# Altium PCB LimeSDR-QPCIe_1v2.PcbDoc (part 21 of 21)
Units mm, origin at the board's own origin, x right, y up, seen from the top; angles counter-clockwise.
Board outline 190 x 111.15 mm, 14 copper layers (Top, L2, L3, L4, L5, L6, L7, L8, L9, L10, L11, L12, L13, Bottom), stack 1.907 mm thick; 2014 components, 1408 nets, 9111 pads, 4171 vias.
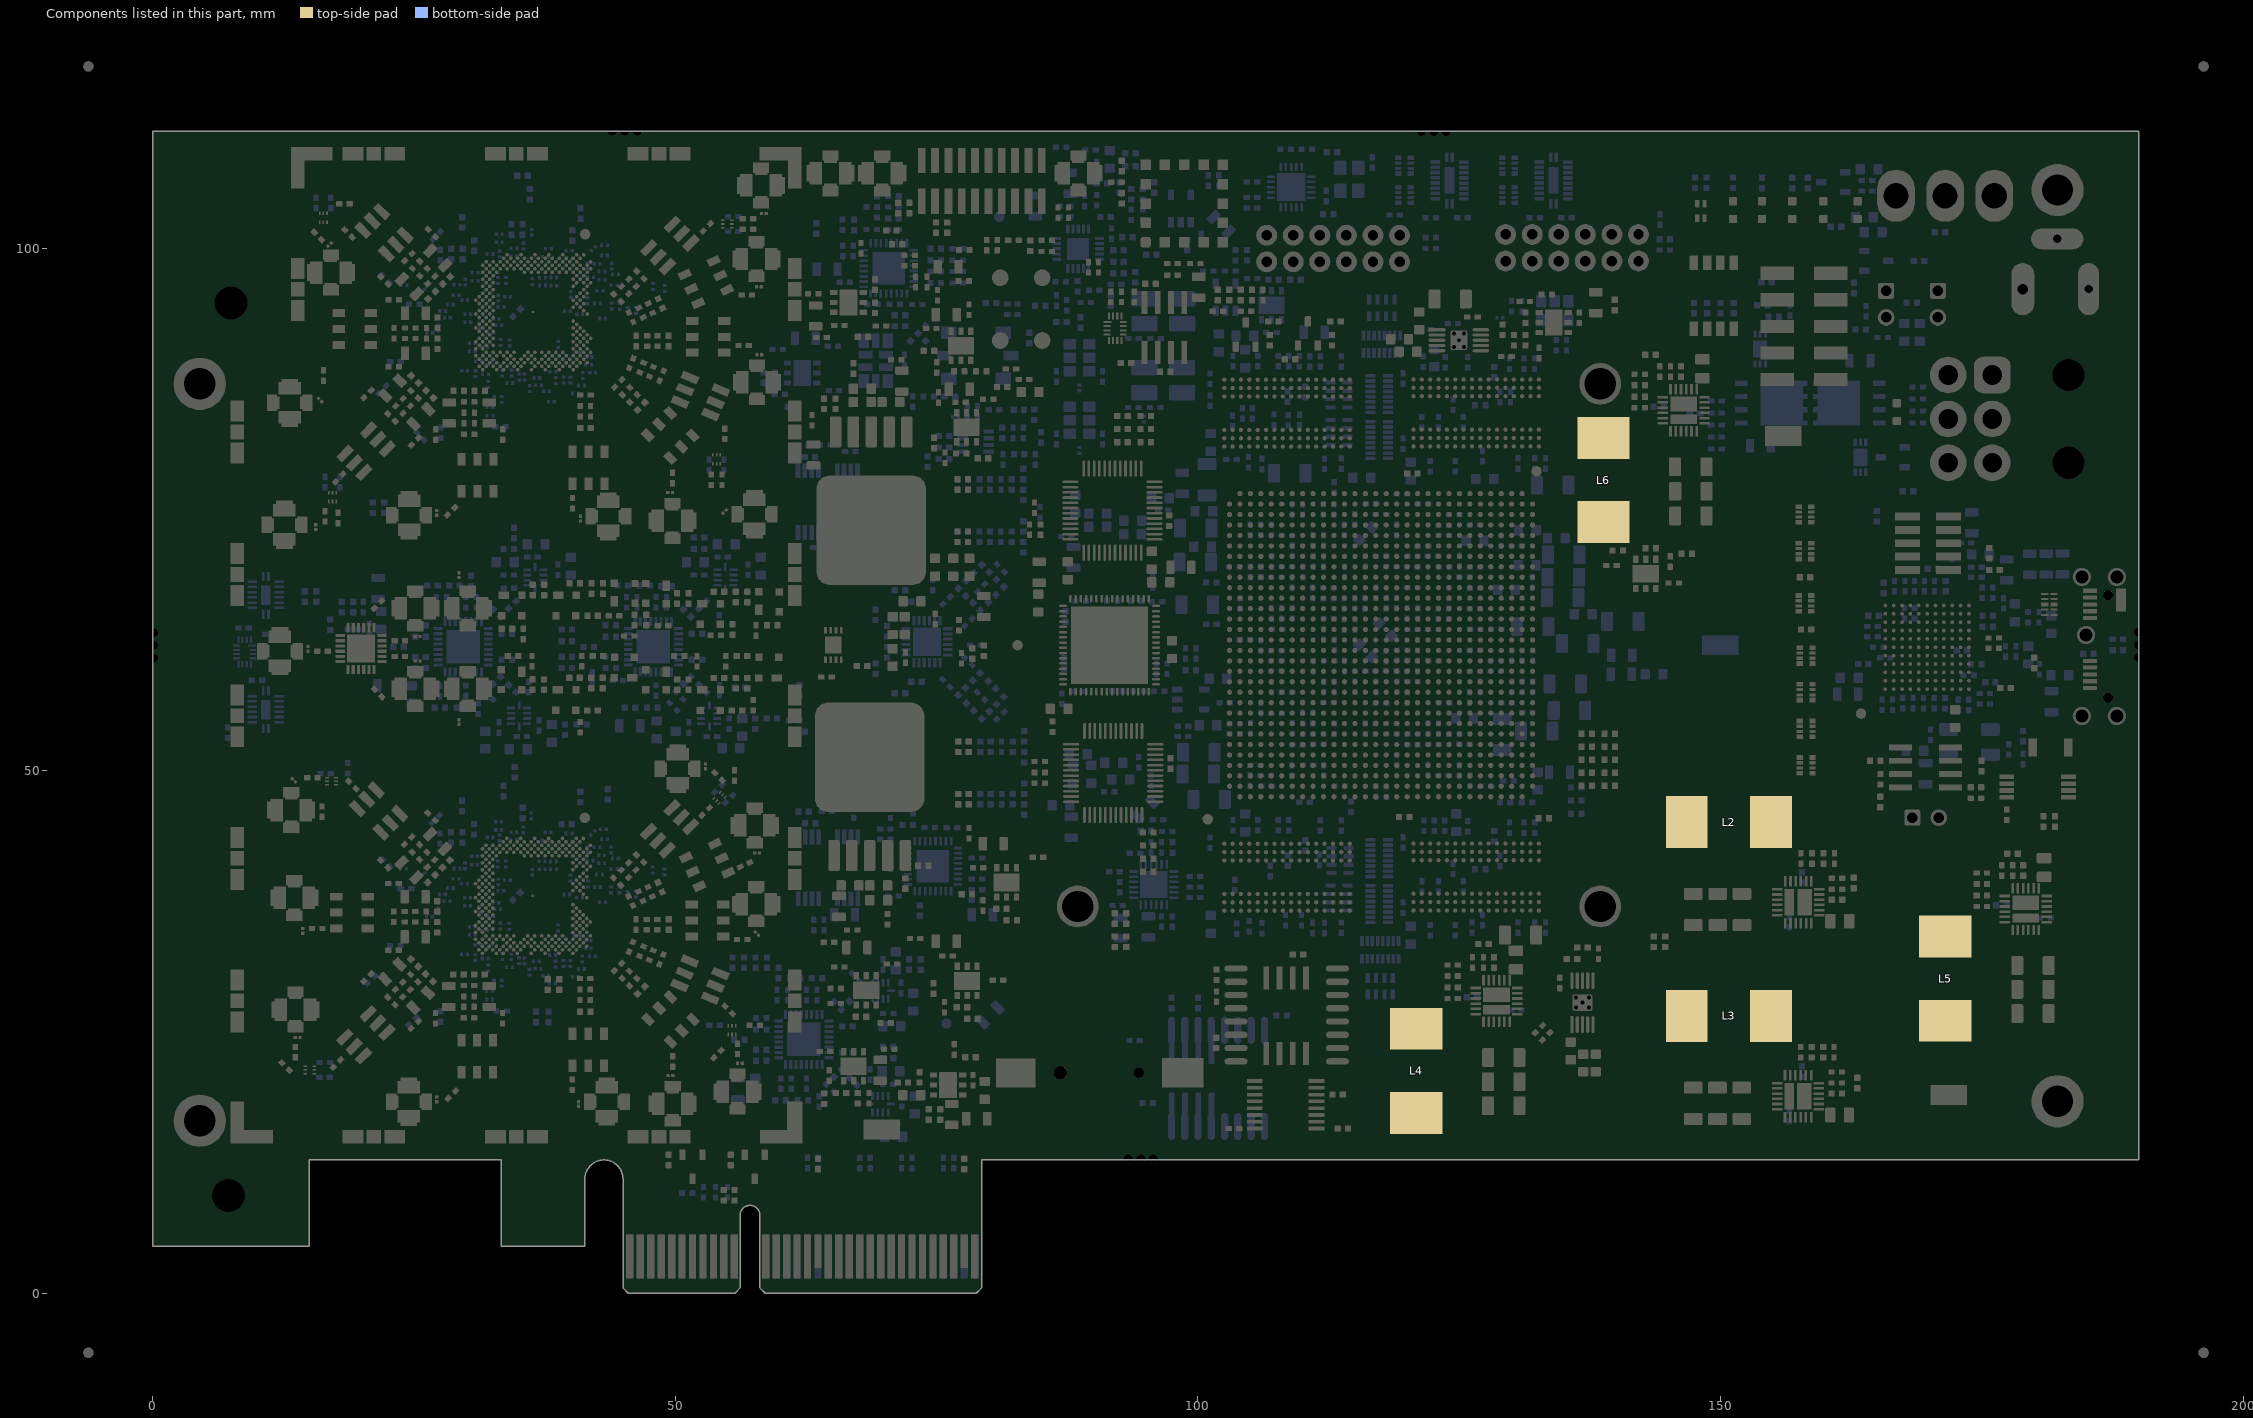
[diagram p33: the components of this part, seen from the top]

## Polygon pours and split planes (outlines as drawn)
VCC12P0_PCIE on L12 "VCC12P0_PCIE_L10_P000" (solid, remove dead copper, pour order 79): 45.625,8.175 46.3,7.5 50,7.5 55.075,7.5 56.5,8.925 74.175,8.925 79.6,14.35 152.65,14.35 165.5,27.2 165.5,84.75 161.75,88.5 151.825,88.5 148.975,85.65 148.975,37.375 139.525,27.925 134.275,27.925 132.7,29.5 68.875,29.5 67.468,28.093 62.843,28.093 45.625,10.875
VCC2P5 on L12 "VCC2P5_L12_P110" (solid, remove dead copper, pour order 110): 73.475,33.075 74.425,32.125 83.05,32.125 84.425,30.75 94.275,30.75 96.75,33.225 96.75,35.7 94.55,37.9 91.575,37.9 90.775,37.1 90.775,35.9 89.65,34.775 87.5,34.775 85.2,37.075 75.15,37.075 73.475,35.4
VCC1P2_FX3 on L12 "VCC1P2_FX3_L10_P012" (solid, remove dead copper, pour order 83): 166,58.875 166,66.9 169.375,70.275 174.65,70.275 175.6,69.325 175.6,57.55 174.75,56.7 168.175,56.7
GND on L12 "GND_L10_P073" (solid, remove dead copper, pour order 126): 15,4.5 15,12.75 33.35,12.75 33.35,4.5 41.35,4.5 41.35,10.925 cw(c43.175,10.925) 45,10.925 45,7 56.2,7 56.2,7.45 cw(c57.15,7.45) 58.1,7.45 58.1,7 79.3,7 79.3,12.75 190,12.75 190,111.15 0,111.15 0,4.5
VCC5P0 on L12 "VCC5P0_L12_P106" (solid, remove dead copper, pour order 106): 144.975,78.275 140.8,82.45 140.8,90.7 137.55,93.95 131.075,93.95 127.975,97.05 114.125,97.05 113.35,96.275 113.35,93.575 115.05,91.875 123.35,91.875 123.95,92.475 125.7,92.475 126.85,91.325 128.725,91.325 131.675,88.375 131.675,83.25 140.65,74.275 143.65,74.275 144.975,75.6
VCC3P3_XO on L12 "VCC3P3_XO_L12_P084" (solid, remove dead copper, pour order 84): 104.025,101.05 102.65,102.425 98.05,102.425 96.075,104.4 90.025,104.4 87.85,106.575 84.175,106.575 83.8,106.2 83.8,104.275 87,101.075 87,97.675 87.275,97.4 89,97.4 91.2,99.6 95.525,99.6 96.125,100.2 103.625,100.2 104.025,100.6
VCC5P0 on L6 "VCC5P0_L06_P109" (solid, remove dead copper, pour order 109): 113.675,97.375 105.975,97.375 103.225,100.125 103.225,103.7 103.225,104.9 99.25,108.875 98.65,109.475 93.85,109.475 93.275,108.9 93.275,107.85 93.725,107.4 96.425,107.4 96.925,106.9 98.525,105.3 98.525,103.975 98.525,100.65 104.275,94.9 109.875,94.9 114.5,94.9 114.875,95.275 114.875,96.175
PWR_IN on L6 "PWR_IN_L04_P022" (solid, remove dead copper, pour order 91): 163,97.25 165.25,99.5 180.75,99.5 182.8,97.45 182.8,85.025 182.8,75.95 181.55,74.7 165.25,74.7 163,76.95
VCC1P25_LMS1 on L6 "VCC1P25_LMS1_L04_P002" (solid, remove dead copper, pour order 80): 65.5,29.725 62.475,32.75 44.55,32.75 39.625,27.825 33.375,27.825 27.625,33.575 27.625,45.175 25.825,46.975 25.825,48.975 28.075,48.975 30.625,51.525 35.725,51.525 37.275,53.075 40.25,53.075 40.25,50.15 40.575,49.825 43.325,49.825 43.775,50.275 48.025,50.275 49.95,52.2 49.95,53.175 47.125,56 29.65,56 26.725,53.075 25.075,53.075 22.475,50.475 22.475,27.275 28.9,20.85 51.5,20.85 55.5,24.85 63.525,24.85 65.5,26.825
VCC12P0 on L6 "VCC12P0_L04_P044" (solid, remove dead copper, pour order 101): 169.475,104.95 169.475,101.625 168.075,100.225 164.75,100.225 161.35,96.825 161.35,91.8 161.35,78.425 158.625,75.7 158.625,49.65 163.95,44.325 178.45,44.325 183.475,39.3 183.475,24.075 173.725,14.325 147.5,14.325 144.075,17.75 144.075,63.175 138.75,68.5 138.75,84.075 143.725,89.05 143.725,104.475 148.8,109.55 167.3,109.55 168.525,109.55 169.475,108.6
GND on L6 "GND_L04_P067" (solid, remove dead copper, pour order 120): 15,4.5 15,12.75 33.35,12.75 33.35,4.5 41.35,4.5 41.35,10.925 cw(c43.175,10.925) 45,10.925 45,7 56.2,7 56.2,7.45 cw(c57.15,7.45) 58.1,7.45 58.1,7 79.3,7 79.3,12.75 190,12.75 190,111.15 0,111.15 0,4.5
VCC2P5 on L6 "VCC2P5_L03_P018" (solid, remove dead copper, pour order 88): 74.525,94.625 72.55,94.625 70.387,92.462 64.813,92.462 62.95,90.6 62.95,88.425 63.95,87.425 65.15,86.225 73.525,86.225 76.275,88.975 76.275,92.875
VDIO_LMS_FPGA on L6 "VDIO_LMS_FPGA_L06_P090" (solid, remove dead copper, pour order 90): 64.625,79.7 65.5,79.7 66.575,80.775 73.175,80.775 76.025,77.925 76.025,71.922 81.75,66.197 81.75,63.325 82.475,62.6 83.85,62.6 84.175,62.925 84.175,67.225 81.75,69.65 80.25,71.15 80.25,74.85 80.25,78.5 76.425,82.325 65.1,82.325 64.225,81.45 64.225,80.1
VCC1P25_LMS2 on L8 "VCC1P25_LMS2_L06_P020" (solid, remove dead copper, pour order 89): 73.9,82.45 71.825,84.525 66.837,84.525 65.169,86.194 65.169,91.906 61.4,95.675 44.05,95.675 40.25,99.475 31.375,99.475 29.125,97.225 29.125,88.85 38,79.975 38,77.715 35.735,75.45 27.625,75.45 18.7,84.375 18.7,103.875 23.775,108.95 60.625,108.95 78.55,91.025 78.55,83.65 77.35,82.45
VCC12P0 on L8 "VCC12P0_L03_P048" (solid, remove dead copper, pour order 103): 129.9,30.625 129.9,26.45 130.325,26.025 130.325,20.975 136.25,15.05 161,15.05 162.325,16.375 162.325,29.475 162.325,34.025 160,36.35 139.375,36.35 133.95,30.925 130.2,30.925
VCC3P3_FX3 on L8 "VCC3P3_FX3_L06_P014" (solid, remove dead copper, pour order 86): 169.5,50.875 169.5,57.83 172.3,60.63 172.3,64.075 170.975,65.4 170.45,65.4 169.85,66 169.85,66.95 170.125,67.225 174.8,67.225 175.425,66.6 175.425,59.275 173.15,57 173.15,50.925 172.7,50.475 169.9,50.475
GND on L8 "GND_L06_P069" (solid, remove dead copper, pour order 122): 15,4.5 15,12.75 33.35,12.75 33.35,4.5 41.35,4.5 41.35,10.925 cw(c43.175,10.925) 45,10.925 45,7 56.2,7 56.2,7.45 cw(c57.15,7.45) 58.1,7.45 58.1,7 79.3,7 79.3,12.75 190,12.75 190,111.15 0,111.15 0,4.5
VCC1P8_LMS1_B on L8 "VCC1P8_LMS1_L06_P004" (solid, remove dead copper, pour order 81): 75.375,29.875 71.475,25.975 64.875,25.975 60.775,21.875 57.625,21.875 53.85,18.1 28.975,18.1 16.65,30.425 16.65,46.275 20.025,49.65 24.325,49.65 28.175,45.8 28.175,32.65 34.3,26.525 34.3,25.6 36.125,23.775 48.75,23.775 53.45,28.475 57.325,28.475 61.05,32.2 74.3,32.2 75.375,31.125
GND on L10 "GND_L08_P071" (solid, remove dead copper, pour order 124): 15,4.5 15,12.75 33.35,12.75 33.35,4.5 41.35,4.5 41.35,10.925 cw(c43.175,10.925) 45,10.925 45,7 56.2,7 56.2,7.45 cw(c57.15,7.45) 58.1,7.45 58.1,7 79.3,7 79.3,12.75 190,12.75 190,111.15 0,111.15 0,4.5
PWR_IN on L3 "PWR_IN_L03_P024" (solid, remove dead copper, pour order 92): 163.375,98.525 164.35,99.5 179.275,99.5 181.325,99.5 182.8,98.025 182.8,85.025 182.8,75.95 180.225,73.375 170.725,73.375 163.375,80.725
GND on L3 "GND_L03_P066" (solid, remove dead copper, pour order 119): 15,4.5 15,12.75 33.35,12.75 33.35,4.5 41.35,4.5 41.35,10.925 cw(c43.175,10.925) 45,10.925 45,7 56.2,7 56.2,7.45 cw(c57.15,7.45) 58.1,7.45 58.1,7 79.3,7 79.3,12.75 190,12.75 190,111.15 0,111.15 0,4.5
VCC1P8_LMS1_A on L4 "VCC1P8_LMS1_A_L04_P107" (solid, remove dead copper, pour order 107): 56.825,18.4 54.925,20.3 54.925,21.525 51.225,25.225 36.35,25.225 30.5,31.075 21.3,31.075 21.025,30.8 21.025,26.95 25.65,22.325 35.8,22.325 36.925,21.2 50.325,21.2 51.075,20.45 51.075,17.15 52.875,15.35 65.325,15.35 65.725,15.75 65.725,17.75 65.075,18.4
VCC1P8 on L4 "VCC1P8_L04_P112" (solid, remove dead copper, pour order 112): 98.925,84.85 96.2,84.85 95.05,83.7 92.475,83.7 91.775,83 91.775,82.2 92.15,81.825 96.625,81.825 97.925,81.825 98.925,82.825
VCC1P4_LMS2 on L4 "VCC1P4_LMS2_L05_P026" (solid, remove dead copper, pour order 93): 67.175,93.6 64.625,96.15 56.85,96.15 54.15,98.571 54.15,102.7 49.7,107.15 44.925,107.15 42.375,104.6 32.6,104.6 29.622,107.578 26.303,107.578 25.825,107.1 25.825,104.05 29.95,99.925 35.225,99.925 35.8,100.5 36.225,100.5 36.8,99.925 44.5,99.925 53.825,90.6 66.8,90.6 67.175,90.975
VDIO_LMS1 on L4 "VDIO_LMS1_L05_P028" (solid, remove dead copper, pour order 94): 41.825,44.875 36.775,49.925 31,49.925 30.275,49.2 30.275,47.625 34.25,43.65 40.6,43.65
VCC12P0 on L4 "VCC12P0_L05_P046" (solid, remove dead copper, pour order 102): 157.5,107.475 158.25,108.225 168.7,108.225 169.475,107.45 169.475,100.55 171.925,98.1 172.75,97.275 172.75,92.3 172.75,92.15 170.875,90.275 169,88.4 169,85.85 169,82.875 167.675,81.55 159,81.55 157.5,83.05
VDIO_LMS_FPGA on L4 "VDIO_LMS_FPGA_L05_P060" (solid, remove dead copper, pour order 115): 84.475,41.65 80.875,45.25 80.875,48.6 80.875,63.6 81.725,64.45 83.525,64.45 83.881,64.094 83.881,54.894 84.55,54.225 84.975,53.8 84.975,51.425 84.975,42.925 84.475,42.425
VCC1P1 on L4 "VCC1P1_L05_P038" (solid, remove dead copper, pour order 97): 112.225,66.2 112.225,59.825 113.25,58.8 142.875,58.8 154.15,47.525 154.15,36.725 151.125,33.7 146.3,28.875 146.3,21.4 147.45,20.25 155.35,20.25 164.9,29.8 164.9,50.9 149.425,66.375 112.4,66.375
GND on L4 "GND_L05_P068" (solid, remove dead copper, pour order 121): 15,4.5 15,12.75 33.35,12.75 33.35,4.5 41.35,4.5 41.35,10.925 cw(c43.175,10.925) 45,10.925 45,7 56.2,7 56.2,7.45 cw(c57.15,7.45) 58.1,7.45 58.1,7 79.3,7 79.3,12.75 190,12.75 190,111.15 0,111.15 0,4.5
VCC1P8_FX3 on L4 "VCC1P8_FX3_L08_P016" (solid, remove dead copper, pour order 87): 165.65,61.4 169.05,64.8 170.475,64.8 170.75,65.075 173.475,65.075 173.9,64.65 173.9,60.275 171,57.375 168.425,57.375 167.275,57.375 165.65,59
VCC1P5 on L4 "VCC1P5_L05_P036" (solid, remove dead copper, pour order 96): 100.25,36.325 100.25,86.125 107.925,93.8 128.95,93.8 134.45,88.3 134.45,79.95 121.275,66.775 112.025,66.775 111.75,66.5 111.75,58.275 140.25,58.275 153.2,45.325 153.2,37.575 150.65,35.025 101.55,35.025
VCC3P3 on L4 "VCC3P3_L05_P062" (solid, remove dead copper, pour order 116): 87.925,70.15 87.925,55.5 95.8,47.625 95.8,33.775 94.275,32.25 92.15,32.25 90.875,33.525 90.875,36.625 90.875,37.05 89.625,38.3 89.625,42.4 87.55,44.475 85.25,46.775 85.25,53.825 84.025,55.05 84.025,63.9 83.25,64.675 81.7,64.675 80.375,63.35 80.075,63.35 79.875,63.55 79.875,65.175 83.275,68.575 84.85,70.15
FX3_GND on L2 "FX3_GND_L02_P030" (solid, remove dead copper, pour order 95): 187.25,56 175.025,56 173.625,57.4 173.625,66.875 174.75,68 187.25,68
GND on L2 "GND_L02_P065" (solid, remove dead copper, pour order 118): 15,4.5 15,12.75 33.35,12.75 33.35,4.5 41.35,4.5 41.35,10.925 cw(c43.175,10.925) 45,10.925 45,7 56.2,7 56.2,7.45 cw(c57.15,7.45) 58.1,7.45 58.1,7 79.3,7 79.3,12.75 190,12.75 190,111.15 0,111.15 0,4.5
VCC1P8_LMS2_A on L9 "VCC1P8_LMS2_A_L09_P085" (solid, remove dead copper, pour order 85): 62.75,85.475 62.75,83.225 60.925,81.4 35.375,81.4 34.125,82.65 33.35,82.65 32.1,81.4 25.4,81.4 21.225,85.575 21.225,86.65 22.5,87.925 32.45,87.925 36.1,84.275 58.075,84.275 59.675,85.875 62.35,85.875
VCC3P3 on L9 "VCC3P3_L07_P058" (solid, remove dead copper, pour order 114): 179.65,27.125 184.175,31.65 184.175,84.425 159.188,109.413 95.025,109.413 94.456,109.981 93.625,109.981 92.3,108.656 92.3,97.275 88.231,93.206 88.231,85.544 89.244,85.544 97.45,93.75 97.45,99.825 100.925,103.3 142.728,103.3 143.453,102.575 143.453,97.324 141.827,95.85 137.45,95.85 137.125,95.525 137.125,90.25 147.075,80.3 147.075,72.3 145.15,70.375 145.15,66.375 146.75,64.775 148.5,64.775 151.975,61.3 151.975,40.425 155.125,37.275 159.475,37.275 162.55,34.2 162.55,30.425 165.85,27.125
VCC2P5 on L9 "VCC2P5_L07_P056" (solid, remove dead copper, pour order 111): 122.975,27.45 122.975,46.925 124.325,48.275 134.963,48.275 135.525,48.837 135.525,53.625 134.725,54.425 123.325,54.425 122.975,54.775 122.975,68.1 124.025,69.15 124.025,76.075 114.45,85.65 76.575,85.65 74.55,87.675 72.725,87.675 72.475,87.425 72.475,81.612 74.837,79.25 78.931,79.25 82.356,75.825 108.95,75.825 111.45,73.325 111.525,73.25 111.525,71.825 112.025,71.325 112.025,61.8 112.725,61.1 112.725,56.05 108.525,51.85 108.525,32.475 106.325,30.275 90.025,30.275 85.775,34.525 85.775,40 81.947,43.828 76.778,43.828 76.4,43.45 76.4,40.375 77.925,38.85 77.925,37.55 77.525,37.15 72.85,37.15 71.075,38.925 65.7,38.925 64.725,37.95 64.725,34.188 66.638,32.275 75.2,32.275 76.75,30.725 76.75,26.475 84.858,18.367 126.617,18.367 127.075,18.825 127.075,23.35
VDIO_DAC_FPGA on L9 "VDIO_DAC_FPGA_L07_P050" (solid, remove dead copper, pour order 104): 87.8,49.65 100.35,62.2 110.675,62.2 111.8,61.075 111.8,57.8 107.8,53.8 107.8,52.1 101,45.3 101,35.35 99.125,33.475 91.9,33.475 87.8,37.575
VCC5P0 on L9 "VCC5P0_L09_P113" (solid, remove dead copper, pour order 113): 124.5,31.4 124.5,26.55 127.45,23.6 127.45,18.45 126.3,17.3 126.3,14.375 130.135,14.375 132.413,16.635 132.413,18.887 131.975,19.325 131.975,26.475 129.9,28.55 129.9,30.75 130.425,31.275 134.001,31.275 136.385,33.66 136.385,38.148 148.338,50.1 148.338,62.537 144.463,66.412 144.463,71.5 146.044,73.081 146.044,78.775 144.769,80.05 142.525,80.05 141.525,79.05 141.525,76.4 139.325,74.2 139.325,67 143.2,63.125 143.2,52.2 134.001,43.001 134.001,40.901
GND on L9 "GND_L07_P070" (solid, remove dead copper, pour order 123): 15,4.5 15,12.75 33.35,12.75 33.35,4.5 41.35,4.5 41.35,10.925 cw(c43.175,10.925) 45,10.925 45,7 56.2,7 56.2,7.45 cw(c57.15,7.45) 58.1,7.45 58.1,7 79.3,7 79.3,12.75 190,12.75 190,111.15 0,111.15 0,4.5
VDIO_LMS_FPGA on L9 "VDIO_LMS_FPGA_L07_P052" (solid, remove dead copper, pour order 105): 84.4,60.1 97.325,60.1 99.9,62.675 108.175,62.675 111.15,65.65 111.15,70.075 106.475,74.75 93.175,74.75 86.625,68.2 84.8,68.2 83,66.4 83,61.5
VCC1P1E_FPGA on L9 "VCC1P1E_FPGA_L07_P054" (solid, remove dead copper, pour order 108): 126.725,70.875 126.725,64.825 126.35,64.425 126.35,57.025 128.175,55.2 131.8,55.2 135.75,59.15 140.025,59.15 142.025,61.15 142.025,63.725 140.2,65.55 132.225,65.55 128.325,69.45 128.325,70.943 127.918,71.35 127.2,71.35
VCC1P8_LMS2_B on L9 "VCC1P8_LMS2_L07_P040" (solid, remove dead copper, pour order 99): 68.875,96.8 65.45,93.375 65.45,80.3 64.85,79.7 25.95,79.7 20.75,84.9 20.75,88.5 21.975,89.55 22.85,89.55 23.8,88.6 25.15,88.6 29.725,93.875 29.725,102.575 25.525,106.775 22.325,106.775 15.35,99.8 15.35,80.475 22.925,72.9 37.525,72.9 38.375,72.05 67.55,72.05 72.075,76.575 72.075,88 72.5,88.425 77.05,88.425 79.3,90.675 79.3,97.375 78.975,97.7 73.075,97.7 72.175,96.8
VCC2P5 on Top "VCC2P5_L01_P098" (solid, remove dead copper, pour order 98): 69.625,21.925 68.975,21.925 68.975,22.95 68.1,23.825 67.7,23.825 67.2,24.325 64.975,24.325 62.3,27 62.3,31.725 63.65,33.075 65.325,33.075 66,32.4 65.525,31.925 64.7,31.925 63.6,30.825 63.6,27.8 65.75,25.65 68.375,25.65 70.375,23.65 70.375,21.925
VCC_ADCDRV on Top "VCC_ADCDRV_L01_P042" (solid, remove dead copper, pour order 100): 73.05,66.8 74.25,68 74.25,69.15 79.725,69.15 80.625,68.25 80.625,66.65 80.275,66.3 79.7,65.725 78.6,65.725 77.5,64.625 77.5,64.1 76.8,64.1 75.825,64.1 75.225,64.7 72.925,64.7 72.925,66.675
GND on Top "GND_L01_P064" (solid, remove dead copper, pour order 117): 15,4.5 15,12.75 33.35,12.75 33.35,4.5 41.35,4.5 41.35,10.925 cw(c43.175,10.925) 45,10.925 45,7 56.2,7 56.2,7.45 cw(c57.15,7.45) 58.1,7.45 58.1,7 79.3,7 79.3,12.75 190,12.75 190,111.15 0,111.15 0,4.5
GND on L11 "GND_L09_P072" (solid, remove dead copper, pour order 125): 15,4.5 15,12.75 33.35,12.75 33.35,4.5 41.35,4.5 41.35,10.925 cw(c43.175,10.925) 45,10.925 45,7 56.2,7 56.2,7.45 cw(c57.15,7.45) 58.1,7.45 58.1,7 79.3,7 79.3,12.75 190,12.75 190,111.15 0,111.15 0,4.5
GND on L13 "GND_L11_P074" (solid, remove dead copper, pour order 127): 15,4.5 15,12.75 33.35,12.75 33.35,4.5 41.35,4.5 41.35,10.925 cw(c43.175,10.925) 45,10.925 45,7 56.2,7 56.2,7.45 cw(c57.15,7.45) 58.1,7.45 58.1,7 79.3,7 79.3,12.75 190,12.75 190,111.15 0,111.15 0,4.5
GND on Bottom "GND_L12_P075" (solid, remove dead copper, pour order 128): 15,4.5 15,12.75 33.35,12.75 33.35,4.5 41.35,4.5 41.35,10.925 cw(c43.175,10.925) 45,10.925 45,7 56.2,7 56.2,7.45 cw(c57.15,7.45) 58.1,7.45 58.1,7 79.3,7 79.3,12.75 190,12.75 190,111.15 0,111.15 0,4.5
GND on L5 "L13-GND" (solid, remove dead copper, pour order 129): 15,4.5 15,12.75 33.35,12.75 33.35,4.5 41.35,4.5 41.35,10.925 cw(c43.175,10.925) 45,10.925 45,7 56.2,7 56.2,7.45 cw(c57.15,7.45) 58.1,7.45 58.1,7 79.3,7 79.3,12.75 190,12.75 190,111.15 0,111.15 0,4.5
GND on L7 "L13-GND1" (solid, remove dead copper, pour order 130): 15,4.5 15,12.75 33.35,12.75 33.35,4.5 41.35,4.5 41.35,10.925 cw(c43.175,10.925) 45,10.925 45,7 56.2,7 56.2,7.45 cw(c57.15,7.45) 58.1,7.45 58.1,7 79.3,7 79.3,12.75 190,12.75 190,111.15 0,111.15 0,4.5

## Keep-outs
Top:
  rectangle: 0,89.7 12.7,111.1
  rectangle net GND: 12.8,110.15 137.15,111.15
  rectangle net GND: 137.15,108.15 190.05,111.15
  rectangle net GND: 184.92,13.75 190,54.175
  rectangle net GND: 79.3,12.75 189.9,13.75
  region net GND: 189.98,110.975 186.5,110.975 186.5,69.525 189.98,69.525
  region: 0,4.45 15,4.45 ccw(c15,4.5) 15.05,4.5 15.05,12.7 33.3,12.7 33.3,7.95 ccw(c33.35,7.95) 33.35,7.9 41.35,7.9 ccw(c41.35,7.95) 41.4,7.95 ccw(c41.35,7.95) 41.4,7.951 41.4,10.925 cw(c43.175,10.925) 44.95,10.925 ccw(c45,10.925) 45.05,10.925 45.05,13.75 ccw(c45,13.75) 45,13.8 0,13.8 ccw(c0,13.75) -0.05,13.75 -0.05,4.5 ccw(c0,4.5)
Bottom:
  rectangle net GND: 79.3,12.75 189.9,13.75
  rectangle net GND: 184.92,13.75 190,54.175
  rectangle net GND: 137.15,108.15 189.95,111.15
  rectangle: 0,89.7 12.7,111.075
  rectangle net GND: 0,14.05 5.08,89.55
  rectangle net GND: 186.35,69.525 189.93,111
  region net GND: 137.05,111.15 12.825,111.15 12.825,110.15 137.05,110.15
  region: 0,4.45 15,4.45 ccw(c15,4.5) 15.05,4.5 15.05,12.7 33.3,12.7 33.3,7.95 ccw(c33.35,7.95) 33.35,7.9 41.35,7.9 ccw(c41.35,7.95) 41.4,7.95 ccw(c41.35,7.95) 41.4,7.951 41.4,10.925 cw(c43.175,10.925) 44.95,10.925 ccw(c45,10.925) 45.05,10.925 45.05,13.75 ccw(c45,13.75) 45,13.8 0,13.8 ccw(c0,13.75) -0.05,13.75 -0.05,4.5 ccw(c0,4.5)

## Other copper
Top:
  drawing of 346 lines, arcs and shapes, not listed
L2:
  region net GND: 177.35,55.225 177.35,53.55 181.35,53.55 181.35,55.225
  pour cut-out: 52.757,84.736 54.304,84.095 54.008,83.379 52.46,84.02
  pour cut-out: 49.819,85.953 51.366,85.312 51.07,84.596 49.522,85.237
  pour cut-out: 50.795,88.309 52.343,87.668 52.046,86.952 50.499,87.593
  pour cut-out: 50.769,32.472 52.316,31.831 52.02,31.115 50.472,31.756
  pour cut-out: 49.792,30.116 51.34,29.475 51.043,28.759 49.496,29.399
  pour cut-out: 52.73,28.899 54.278,28.258 53.981,27.542 52.434,28.183
  pour cut-out: 22.762,81.65 21.578,80.466 22.126,79.918 23.31,81.102
  pour cut-out: 20.966,83.446 19.782,82.262 20.33,81.714 21.514,82.898
  pour cut-out: 19.616,80.3 18.431,79.115 18.979,78.567 20.164,79.752
  pour cut-out: 23.227,99.124 22.042,100.308 21.494,99.76 22.679,98.576
  pour cut-out: 25.023,100.92 23.838,102.104 23.29,101.556 24.475,100.372
  pour cut-out: 21.876,102.27 20.692,103.455 20.144,102.907 21.328,101.722
  pour cut-out: 22.7,43.787 21.516,44.971 20.968,44.423 22.152,43.239
  pour cut-out: 24.496,45.583 23.312,46.767 22.764,46.219 23.948,45.035
  pour cut-out: 21.35,46.933 20.165,48.118 19.617,47.57 20.802,46.385
  pour cut-out: 50.645,100.163 51.83,101.347 52.378,100.799 51.193,99.615
  pour cut-out: 48.397,97.914 49.581,99.098 50.129,98.55 48.945,97.366
  pour cut-out: 46.593,99.718 47.778,100.902 48.326,100.354 47.141,99.17
  pour cut-out: 18.15,35.279 16.937,35.279 16.937,34.504 18.15,34.504
  pour cut-out: 50.619,44.325 51.803,45.51 52.351,44.962 51.167,43.777
  pour cut-out: 48.37,42.077 49.555,43.261 50.103,42.713 48.918,41.529
  pour cut-out: 46.567,43.881 47.751,45.065 48.299,44.517 47.115,43.333
  pour cut-out: 69.016,106.188 70.591,106.188 70.591,104.963 69.016,104.963
  pour cut-out: 64.041,106.163 65.616,106.163 65.616,104.938 64.041,104.938
  pour cut-out: 16.262,98.625 17.838,98.625 17.838,99.85 16.262,99.85
  pour cut-out: 48.925,74.875 50.5,74.875 50.5,76.1 48.925,76.1
  pour cut-out: 41.387,75.125 41.387,73.55 42.613,73.55 42.613,75.125
  pour cut-out: 25.5,75.212 25.5,73.637 26.725,73.637 26.725,75.213
  pour cut-out: 12.462,47.2 14.037,47.2 14.037,48.425 12.462,48.425
  pour cut-out: 14.334,36.849 12.759,36.849 12.759,35.624 14.334,35.624
  pour cut-out: 52.725,50.963 52.725,49.388 51.5,49.388 51.5,50.963
  pour cut-out: 58.387,42.55 56.812,42.55 56.812,43.775 58.388,43.775
  pour cut-out: 50.533,19.112 48.958,19.112 48.958,20.337 50.533,20.337
  pour cut-out: 26.725,19.1 26.725,17.525 25.5,17.525 25.5,19.1
  region net FX3_GND: 177.35,56.925 177.375,56.95 181.575,56.95 181.75,56.775 181.75,56 177.15,56 177.05,56.1 177.05,56.325 177.196,56.395 177.35,56.549
  pour cut-out: 19.589,24.463 18.405,23.278 18.953,22.73 20.137,23.915
  pour cut-out: 20.94,27.609 19.755,26.425 20.303,25.877 21.488,27.061
  pour cut-out: 22.736,25.813 21.551,24.629 22.099,24.081 23.284,25.265
  pour cut-out: 21.2,35.279 19.987,35.279 19.987,34.504 21.2,34.504
  pour cut-out: 21.2,38.304 19.987,38.304 19.987,37.529 21.2,37.529
  pour cut-out: 32.938,24.8 32.938,23.587 32.163,23.587 32.163,24.8
  pour cut-out: 29.913,24.8 29.913,23.587 29.138,23.587 29.138,24.8
  pour cut-out: 29.913,21.75 29.913,20.537 29.138,20.537 29.138,21.75
  pour cut-out: 43.592,25.426 43.592,24.213 42.817,24.213 42.817,25.426
  pour cut-out: 40.542,25.426 40.542,24.213 39.767,24.213 39.767,25.426
  pour cut-out: 40.542,22.376 40.542,21.163 39.767,21.163 39.767,22.376
  pour cut-out: 49.37,29.033 50.228,28.175 49.68,27.627 48.822,28.485
  pour cut-out: 47.231,26.894 48.089,26.036 47.541,25.488 46.683,26.346
  pour cut-out: 49.388,24.737 50.246,23.879 49.698,23.331 48.84,24.189
  pour cut-out: 42.463,19.125 42.463,17.55 41.237,17.55 41.237,19.125
  pour cut-out: 14.387,62.225 14.387,60.65 13.162,60.65 13.162,62.225
  pour cut-out: 29.363,56.85 30.938,56.85 30.938,55.625 29.362,55.625
  pour cut-out: 29.375,67.725 30.95,67.725 30.95,66.5 29.375,66.5
  pour cut-out: 13.575,74.313 13.575,72.738 14.8,72.738 14.8,74.313
  pour cut-out: 57.4,103.787 58.975,103.787 58.975,105.013 57.4,105.013
  pour cut-out: 58.537,35.025 56.962,35.025 56.962,36.25 58.538,36.25
  pour cut-out: 55.15,21.475 56.725,21.475 56.725,20.25 55.15,20.25
  pour cut-out: 21.467,90.355 20.253,90.355 20.253,91.13 21.467,91.13
  pour cut-out: 21.467,93.38 20.253,93.38 20.253,94.155 21.467,94.155
  pour cut-out: 18.417,93.38 17.203,93.38 17.203,94.155 18.417,94.155
  pour cut-out: 32.979,80.377 32.979,79.164 32.204,79.164 32.204,80.377
  pour cut-out: 29.954,80.377 29.954,79.164 29.179,79.164 29.179,80.377
  pour cut-out: 29.954,77.327 29.954,76.114 29.179,76.114 29.179,77.327
  pour cut-out: 43.594,81.104 43.594,79.891 42.819,79.891 42.819,81.104
  pour cut-out: 40.569,81.104 40.569,79.891 39.794,79.891 39.794,81.104
  pour cut-out: 40.569,78.054 40.569,76.841 39.794,76.841 39.794,78.054
  pour cut-out: 49.351,84.916 50.209,84.058 49.661,83.51 48.803,84.368
  pour cut-out: 47.212,82.777 48.07,81.919 47.522,81.371 46.664,82.229
  pour cut-out: 49.369,80.62 50.227,79.762 49.679,79.214 48.821,80.072
  pour cut-out: 51.016,93.4 52.229,93.4 52.229,92.625 51.016,92.625
  pour cut-out: 51.016,90.375 52.229,90.375 52.229,89.6 51.016,89.6
  pour cut-out: 54.066,90.375 55.279,90.375 55.279,89.6 54.066,89.6
  pour cut-out: 50.197,97.547 51.297,98.06 51.624,97.358 50.525,96.845
  pour cut-out: 51.476,94.806 52.575,95.319 52.903,94.616 51.803,94.103
  pour cut-out: 54.24,96.095 55.34,96.608 55.667,95.905 54.567,95.392
  pour cut-out: 54.364,40.327 55.464,40.84 55.791,40.138 54.692,39.625
  pour cut-out: 51.6,39.038 52.699,39.551 53.027,38.849 51.927,38.336
  pour cut-out: 50.321,41.78 51.421,42.293 51.749,41.59 50.649,41.078
  pour cut-out: 54,34.533 55.213,34.533 55.213,33.758 54,33.758
  pour cut-out: 50.95,34.533 52.163,34.533 52.163,33.758 50.95,33.758
  pour cut-out: 50.95,37.558 52.163,37.558 52.163,36.783 50.95,36.783
  pour cut-out: 14.45,24.925 12.875,24.925 12.875,26.15 14.45,26.15
  pour cut-out: 56.6,73.725 56.6,75.3 55.375,75.3 55.375,73.725
  pour cut-out: 57.016,88.132 58.591,88.132 58.591,89.357 57.016,89.357
  pour cut-out: 58.575,97.975 57,97.975 57,96.75 58.575,96.75
  pour cut-out: 14.088,85.988 14.088,84.413 15.313,84.413 15.313,85.988
  pour cut-out: 25.925,64.55 24.35,64.55 24.35,63.325 25.925,63.325
  pour cut-out: 24.325,58.8 25.9,58.8 25.9,60.025 24.325,60.025
  pour cut-out: 80.3,97.158 ccw(c81.101,97.158) 81.101,96.357 ccw(c81.101,97.158) 81.903,97.158 ccw(c81.101,97.158) 81.101,97.96 ccw(c81.101,97.158)
L3:
  pour cut-out: 16.262,98.625 17.838,98.625 17.838,99.85 16.262,99.85
  pour cut-out: 57.4,103.787 58.975,103.787 58.975,105.013 57.4,105.013
  pour cut-out: 48.925,74.875 50.5,74.875 50.5,76.1 48.925,76.1
  pour cut-out: 41.387,75.125 41.387,73.55 42.613,73.55 42.613,75.125
  pour cut-out: 25.5,75.212 25.5,73.637 26.725,73.637 26.725,75.213
  pour cut-out: 12.462,47.2 14.038,47.2 14.038,48.425 12.462,48.425
  pour cut-out: 14.334,36.849 12.759,36.849 12.759,35.624 14.334,35.624
  pour cut-out: 52.725,50.962 52.725,49.388 51.5,49.388 51.5,50.963
  pour cut-out: 58.387,42.55 56.812,42.55 56.812,43.775 58.388,43.775
  pour cut-out: 50.533,19.112 48.958,19.112 48.958,20.337 50.533,20.337
  pour cut-out: 26.725,19.1 26.725,17.525 25.5,17.525 25.5,19.1
  region net VCC2P5: 139.15,96.15 139.775,96.775 140.525,96.775 140.6,96.7 140.6,95.925 140.5,95.825 139.25,95.825 139.15,95.925
  region net VDIO_LMS2: 63.025,74.225 63.9,75.1 63.9,75.7 63.25,75.7 62.525,74.975 62.525,74.425 62.725,74.225
  pour cut-out: 13.575,74.313 13.575,72.738 14.8,72.738 14.8,74.313
  pour cut-out: 42.475,17.537 42.475,19.112 41.25,19.112 41.25,17.537
  pour cut-out: 58.537,36.25 56.962,36.25 56.962,35.025 58.538,35.025
  pour cut-out: 55.15,21.475 56.725,21.475 56.725,20.25 55.15,20.25
  pour cut-out: 13.162,60.642 13.162,62.217 14.387,62.217 14.387,60.642
  pour cut-out: 30.937,55.625 29.362,55.625 29.362,56.85 30.938,56.85
  pour cut-out: 30.95,66.5 29.375,66.5 29.375,67.725 30.95,67.725
  pour cut-out: 65.638,104.95 64.063,104.95 64.063,106.175 65.638,106.175
  pour cut-out: 70.587,104.95 69.012,104.95 69.012,106.175 70.588,106.175
  pour cut-out: 14.45,24.925 12.875,24.925 12.875,26.15 14.45,26.15
  pour cut-out: 56.6,73.725 56.6,75.3 55.375,75.3 55.375,73.725
  pour cut-out: 57.016,88.132 58.591,88.132 58.591,89.357 57.016,89.357
  pour cut-out: 58.575,97.975 57,97.975 57,96.75 58.575,96.75
  pour cut-out: 14.088,85.988 14.088,84.413 15.313,84.413 15.313,85.988
  pour cut-out: 25.925,64.55 24.35,64.55 24.35,63.325 25.925,63.325
  pour cut-out: 24.325,58.8 25.9,58.8 25.9,60.025 24.325,60.025
L6:
  region net VCC3P3: 127.1,92.825 127.25,92.675 127.85,92.675 128.15,92.975 128.15,93.325 127.7,93.775 127.275,93.775 127.1,93.6
  region net VCC2P5H_FPGA: 132.725,51.1 132.15,51.675 130.825,51.675 130.45,51.3 130.45,50.55 130.7,50.3 132.25,50.3 132.725,50.775
  region net VCC1P4_LMS1: 25.875,49.075 25.875,48.2 26.025,48.05 26.475,48.05 26.625,48.2 26.625,49 26.4,49.225 26.025,49.225
  region net VCC3P3_CLK: 78.875,24.8 78.875,22.7 79.25,22.325 80,22.325 80.375,22.7 80.375,24.8
  region net VCC1P5: 81.975,35.25 81.675,34.95 81.675,34.05 81.925,33.8 82.55,33.8 82.7,33.95 82.7,34.425 81.95,35.175
L4:
  region net VCC5P0: 79.05,18.7 79.05,17.8 79.325,17.525 80.6,17.525 80.825,17.75 80.825,18.575 79.875,19.525
  region net VCC1P8A_ADC: 95.625,67.5 94.775,67.5 94.55,67.275 94.55,66.875 94.6,66.825 95.1,66.825 95.45,66.475 95.9,66.475 96.269,66.844 96.269,67.55
  region net VCC1P8_LMS1_B: 47.379,50.95 47.379,51.908 47.496,52.025 47.775,52.025 47.96,51.84 47.96,51.715 48.225,51.45 48.225,51.3 47.875,50.95 47.85,50.95
L10:
  region net VCC3P3_CLK: 101.675,103.675 101.675,101.95 101.475,101.75 99.55,103.675 99.775,103.9 101.45,103.9
L12:
  pour cut-out: 75.425,92.5 76.925,92.5 76.925,91.3 75.425,91.3
  pour cut-out: 69.825,91.8 69.825,90.45 70.825,90.45 70.825,91.8
  text "A" at 177.425,19.125 h0.55
  text "V" at 178.425,19.125 h0.55
  text "L" at 177.9,18.55 h0.55
  text "D" at 177.65,16.925 h0.55
  text "R" at 178.2,16.925 h0.55
L13:
  pour cut-out: 75.425,92.5 76.925,92.5 76.925,91.3 75.425,91.3
  pour cut-out: 69.825,91.8 69.825,90.45 70.825,90.45 70.825,91.8
L8:
  region net VDIO_DAC_FPGA: 92.95,33.975 92.95,34.775 93.125,34.95 93.75,34.95 93.875,34.825 93.875,34.6 93.25,33.975
L9:
  region net VCC3P3: 33.875,71.175 34.875,72.175 35.575,72.175 36.575,71.175
  region net VCC3P3: 53.85,71.175 54.45,71.775 54.9,71.775 55.5,71.175
  region net VCC1P8: 124.825,77.325 124.825,78.2 125.1,78.475 126.35,78.475 126.625,78.2 126.625,77.75 126.2,77.325
  region net VCC5P0: 82.55,17.4 81.275,17.4 80.725,17.95 79.3,17.95 78.9,17.55 78.9,15.725 80.225,14.4 81.6,14.4 82.55,15.35
Bottom:
  drawing of 209 lines, arcs and shapes, not listed

## Silkscreen, mask and mechanical layers (free items; w line width, h text height)
TopOverlay:
  drawing of 3665 lines, arcs and shapes, not listed
  text "ANT" at 87.275,109.525 h0.9
  text "GNSS" at 94.95,109.5 h0.9
  text "OFF" at 174.875,109.175 h1
  text "ON" at 166.025,109.1 h1
  text "RX1_H" at 55.75,103.95 h0.9 r90
  text "OUT" at 63.35,103.475 h0.55
  text "IN" at 68.75,103.475 h0.55
  text "REF CLK" at 63.55,102.375 h0.9
  text "LVDS" at 76.625,101.175 h1
  text "#2" at 38.05,101 h2.5 r90
  text "FPGA LED4" at 150.175,100.675 h0.75 r90
  text "FPGA LED3" at 152.95,100.675 h0.75 r90
  text "FPGA LED2" at 155.825,100.675 h0.75 r90
  text "FPGA LED1" at 158.7,100.675 h0.75 r90
  text "FPGA CONF" at 162.125,100.675 h0.75 r90
  text "FPGA LED5" at 146.775,100.575 h0.75 r90
  text "RX1_L" at 60.325,99.45 h0.9
  text "1" at 146.845,98.35 h0.55 r90
  text "1" at 152.8,97.625 h0.55
  text "2" at 162.95,97.55 h0.55
  text "12V EXT" at 168.975,97.475 h1.15
  text "12V FAN" at 163.925,97.45 h1.15
  text "PMOD #B" at 123.85,96.68 h1.2 r90
  text "PMOD #A" at 126.45,96.675 h1.2 r90
  text "GND" at 134.775,95.45 h0.65
  text "-" at 167.6,95.2 h1.4
  text "-" at 172.55,95.2 h1.4
  text "GND" at 115.45,95.05 h0.65
  text "#2" at 30.202,94.65 h0.9 r90
  text "VCC3P3" at 115.275,94.025 h0.65
  text "VCC / 3P3" at 140.55,94 h0.65
  text "+" at 167.575,92.675 h1.4
  text "+" at 172.525,92.675 h1.4
  text "0" at 146.85,92.15 h0.55 r90
  text "1" at 150.35,90.95 h0.55 r90
  text "3" at 147.81,90.8 h0.55 r90
  text "2" at 149.08,90.8 h0.55 r90
  text "0" at 151.62,90.8 h0.55 r90
  text "FPGA SWITCH" at 145.86,90.775 h0.8 r90
  text "TX2_2" at 16.45,90.55 h0.9 r90
  text "LMS7002M" at 30.236,86.983 h0.9 r90
  text "RX1_W" at 62.225,85.5 h0.9 r90
  text "9" at 154.35,85.3 h0.55
  text "10" at 161.1,85.3 h0.55
  text "FPGA JTAG" at 151.775,83.3 h1.2
  text "TX2_1" at 10.913,82.888 h0.9 r90
  text "GND" at 159.525,80.725 h0.8 r90
  text "DDR3 BOT" at 118.475,79.475 h1.2 r90
  text "PCIe power" at 168.95,78.5 h1.15 r90
  text "BOARD POWER" at 166,76.525 h1.3 r90
  text "v1.2" at 155.4,73.725 h3.2 r90
  text "C" at 156.3,72.85 h1.2 r90
  text "RX2_H" at 61.7,72.3 h0.9 r90
  text "TX1_2" at 10.4,71.225 h0.9 r90
  text "DAC #2" at 99.975,70.55 h1.2 r90
  text "VCC5P0" at 133.4,70.4 h0.8
  text "RX2_W" at 41.475,70.275 h0.9
  text "TX1_1" at 22.275,70.25 h0.9
  text "RX2_L" at 47.425,69.825 h0.9
  text "FX3 JTAG" at 165.65,68.85 h1.2 r90
  text "RF2" at 23.7,67.8 h0.9
  text "RF1" at 30.1,67.775 h0.9
  text "o" at 64.925,65.05 h1.2 r90
  text "t" at 65.741,64.318 h2.1 r90
  text "RFC" at 9.975,60.025 h0.9 r90
  text "ADC" at 100.175,59.525 h1.2 r90
  text "ALTERA / CYCLONE V" at 138,55.6 h1.2 r90
  text "USB3.0" at 183.4,54.925 h1.2 r90
  text "1" at 140.3,54.3 h0.75 r90
  text "0" at 137.125,54.15 h0.75 r90
  text "RF4" at 30,53.825 h0.9
  text "RF3" at 23.8,53.8 h0.9
  text "0" at 136,53.05 h0.75 r90
  text "RX1_H" at 48.025,52.5 h0.9
  text "1" at 136,52 h0.75 r90
  text "2" at 136,50.625 h0.75 r90
  text "LimeSDR-QPCIe" at 155.45,50.55 h3.2 r90
  text "FX3 RST" at 183.75,50.45 h1
  text "3" at 136,49.35 h0.75 r90
  text "4" at 136,48.075 h0.75 r90
  text "FPGA MSEL" at 134.725,47.975 h0.75 r90
  text "RX1_L" at 55.625,46.85 h0.9
  text "#1" at 38.45,45.425 h2.5 r90
  text "DAC #1" at 100.075,45.2 h1.2 r90
  text "3" at 93.975,43.625 h0.75 r90
  text "TX2_2" at 10.8,43.35 h0.9 r90
  text "VCC1P5" at 144.525,42.7 h0.8 r90
  text "2" at 93.975,42.375 h0.75 r90
  text "1" at 93.975,41.375 h0.75 r90
  text "FX3 FLASH  / BOOT" at 164.825,40.85 h1
  text "0" at 93.975,39.875 h0.75 r90
  text "#1" at 30.075,39.025 h0.9 r90
  text "BOM_VER" at 91.925,38.3 h0.75
  text "TX2_1" at 11.025,36.075 h0.9 r90
  text "DDR3 TOP" at 118.075,34.8 h1.2 r90
  text "RX1_W" at 62.225,34 h0.9 r90
  text "LMS7002M" at 30.1,31.225 h0.9 r90
  text "M3" at 83.05,30.375 h0.9
  text "3" at 86.55,30.375 h0.9
  text "TX1_2" at 11.275,24.65 h0.9 r90
  text "VCC1P1" at 144.3,23.975 h0.8 r90
  text "VCC3P3" at 169.1,22.575 h0.8
  text "RX2_H" at 60.1,17.05 h0.9 r90
  text "TX1_1" at 22.2,16.225 h0.9 r90
  text "GND" at 170.45,16.2 h0.8
  text "RX2_L" at 47.45,16.05 h0.9 r90
  text "RX2_W" at 40.375,14.2 h0.9
  text "VCC2P5" at 118.45,13.925 h0.8
  text "CR1220" at 81.9,13.9 h0.8 r90
  text "GND" at 68.475,12.875 h0.8
  text "x4" at 73.518,7.431 h1.8
  text "M2.5" at 4.15,5.65 h0.9
  text "2" at 9.4,5.65 h0.9
BottomOverlay:
  drawing of 2002 lines, arcs and shapes, not listed
  text "or" at 82.625,86.05 h0.55
  text "GND" at 151.275,59.275 h0.8
  text "GND" at 70.35,51.5 h0.8
  text "3" at 83.55,42.45 h0.9
  text "M3" at 87.05,42.45 h0.9
  text "RTC" at 108.7,21.65 h0.8 r90
  text "4" at 7.475,18.675 h0.9
  text "M3" at 10.975,18.675 h0.9
  text "x4" at 66.232,7.456 h1.8
Mechanical1:
  drawing of 2483 lines, arcs and shapes, not listed
  text "TH via" at 121.125,226.225 h1.52
  text "GERBER LAYER NAMES:" at -5.275,225.95 h1.52
  text "STACKUP:" at 29.625,225.85 h3
  text "Top-Bot" at 120.625,223.85 h1.52
  text "GTP" at -4.175,222.15 h1.52
  text "Top solder paste" at 0.925,222.05 h1
  text "LimeSDR-QPCIe v1.2" at 265.468,221.747 h2.6
  text "GTO" at -4.175,219.15 h1.52
  text "Silkscreen" at 0.825,218.85 h1
  text "ELECTRICAL LAYERS:" at 135.125,217.85 h1.52
  text "GTS" at -4.175,216.65 h1.52
  text "CONTROLLED IMPEDANCE" at 250.75,216.425 h3
  text "Soldermask (halogen free)" at 0.825,215.35 h1
  text "GTL" at -4.175,214.15 h1.52
  text "Top: RF/GND" at 134.825,214.15 h1.52
  text "0.5oz+plating" at 0.825,213.65 h1
  text "PP" at 23.125,211.35 h1
  text "6.8mil" at 26.85,211.275 h1
  text "GENERAL PARAMETERS:" at 227.7,210.725 h1.5
  text "G1" at -4.175,209.65 h1.52
  text "L2: GND" at 135.325,209.65 h1.52
  text "1oz" at 0.825,209.45 h1
  text "CORE" at 23.125,206.85 h1
  text "G2" at -4.175,205.15 h1.52
  text "L3: PWR/Signal/GND" at 135.325,205.15 h1.52
  text "1oz" at 0.825,204.95 h1
  text "PP" at 23.125,202.35 h1
  text "G3" at -4.175,200.65 h1.52
  text "L4: PWR/GND" at 135.325,200.65 h1.52
  text "1oz" at 0.825,200.45 h1
  text "CORE" at 23.125,197.85 h1
  text "Top layer copper foil thickness: 17.5 um / Dielectric thickness from Top to L2 = 173um (6.8 mils) / Dielectric between Top layer and 2nd layer relative permittivity (Er): 4.2 / Ground plane distance to trace on Top layer: 0.1mm" at 231.15,197.1 h1.5
  text "G4" at -4.175,196.15 h1.52
  text "L5: GND" at 135.325,196.15 h1.52
  text "1oz" at 0.825,195.95 h1
  text "CALCULATIONS:" at 228.175,193.4 h1.5
  text "PP" at 23.125,193.35 h1
  text "G5" at -4.175,191.65 h1.52
  text "L6: Signal(PCIe)/PWR/GND" at 135.325,191.65 h1.52
  text "1oz" at 0.825,191.45 h1
  text "CORE" at 23.125,188.85 h1
  text "G6" at -4.175,187.15 h1.52
  text "L7: GND" at 135.325,187.15 h1.52
  text "1oz" at 0.825,186.95 h1
  text "PP" at 23.125,184.35 h1
  text "G7" at -4.175,182.65 h1.52
  text "L8: Signal (LMS, DDR, FX3)" at 135.325,182.65 h1.52
  text "1oz" at 0.825,182.45 h1
  text "CORE" at 23.125,179.85 h1
  text "G8" at -4.175,178.15 h1.52
  text "L9: PWR/Signal" at 135.325,178.05 h1.52
  text "1oz" at 0.825,177.95 h1
  text "RF (Top)" at 212.325,175.95 h2
  text "PP" at 23.125,175.35 h1
  text "G9" at -4.175,173.65 h1.52
  text "L10: Signal (LMS, DDR, FX3)" at 135.325,173.65 h1.52
  text "1oz" at 0.825,173.45 h1
  text "CORE" at 23.125,170.85 h1
  text "G10" at -4.175,169.15 h1.52
  text "L11: GND" at 135.325,169.15 h1.52
  text "1oz" at 0.825,168.95 h1
  text "50 Ohm coplanar waveguide without ground (Top layer) characteristics: /  Top layer copper foil thickness: 17.5 um /  Track width = 0.309 mm (12.165 mils) /  Dielectric thickness from Top to L2 = 173um (6.8 mils) /  Dielectric between Top layer and 2nd layer relative permittivity (Er): 4.2 /          /  Approximate microstrip line impedance = 49.99 Ohms (+/- 10% tolerance)" at 231.675,167.25 h1.5
  text "PP" at 23.125,166.35 h1
  text "G11" at -4.175,164.65 h1.52
  text "L12: CLK/Signal (LMS, DDR, FX3)" at 135.325,164.65 h1.52
  text "1oz" at 0.825,164.45 h1
  text "CORE" at 23.125,161.85 h1
  text "G12" at -4.175,160.15 h1.52
  text "L13: GND" at 135.325,160.15 h1.52
  text "1oz" at 0.825,159.95 h1
  text "PP" at 23.125,157.35 h1
  text "GBL" at -4.175,155.65 h1.52
  text "Bottom: Signal/PWR/GND" at 135.325,155.65 h1.52
  text "0.5oz+plating" at 0.825,155.15 h1
  text "GBS" at -4.175,153.15 h1.52
  text "Soldermask (halogen free)" at 0.825,151.95 h1
  text "ADDITIONAL LAYERS:" at 138.125,151.35 h1.52
  text "GBO" at -4.175,150.65 h1.52
  text "Silkscreen" at 0.825,150.45 h1
  text "RF (Top)" at 212.325,147.95 h2
  text "GBP" at -4.175,147.65 h1.52
  text "Bottom solder paste" at 0.825,147.45 h1
  text "Mechanical 1: Board cutout" at 140.825,147.15 h1.52
  text "Via type #1" at 78.35,144.925 h1.52
  text "ASM TOP: Assembly top" at 140.825,144.15 h1.52
  text "0.2mm drill / 0.4mm ring" at 119.125,142.35 h1.2
  text "ASM BOT: Assembly bottom" at 140.825,141.15 h1.52
  text "Total PCB thicknes:  / 1.6mm +/- 10%" at -4.375,139.35 h1.52
  text "Mechanical 13: Component 3D body" at 140.825,138.15 h1.52
  text "100 Ohm coplanar differential pair without ground (Top layer) characteristics: /  Top layer copper foil thickness: 17.5 um /  Track width = 0.2 mm (7.874 mils) /  Track spacing = 0.1 mm (3.937 mils) /  Track width/spacing ratio = 2 /  Dielectric thickness from top to L2 = 173um (6.8 mils) /  Dielectric between Top layer and 2nd layer relative permittivity (Er): 4.2 /          /  Approximate coupled microstrip line impedance = 100.7 Ohms (+/- 10% tolerance)" at 232.1,137.825 h1.5
  text "0.2mm drill / 0.35mm ring" at 119.125,136.35 h1.2
  text "Via type #2 (In pad, resin filled with metal cap)" at 77.85,136.25 h1.52
  text "RF (Bottom)" at 208.925,123.575 h2
  text "Board cutout" at 85.4,122.6 h1.95
  text "50 Ohm coplanar waveguide with GND (Bottom layer) characteristics: /  Bottom layer copper foil thickness: 17.5 um /  Track width = 0.254 mm (10 mils) /  Distance to GND: 0.1 mm (3.937 mils) /  Dielectric thickness from Bottom to L13 = 173um (6.8 mils) /  Dielectric between Bottom layer and L13 relative permittivity (Er): 4.2 /          /  Approximate microstrip line impedance = 49.99 Ohms (+/- 10% tolerance)" at 231.875,110.275 h1.5
  text "Vendor Logo, RoHS  / and PCB number (bottom)" at 0.8,106.675 h0.7
  text "PCB standoff hole" at 162.675,104.9 h1
  text "Local Fiducial" at 38.95,102.175 h0.7
  text "USB3.0 (Top)" at 207.775,97.275 h2
  text "PCIe bracket mounting hole" at 9.5,95.6 h1
  text "Space for fan standoff (no hole)" at 74,90.5 h1
  text "Fan mounting hole" at 130.95,90.025 h1
  text "90 Ohm coupled microstrip line (Top layer, without GND) characteristics: /  Top layer copper foil thickness: 17.5 um /  Track width = 0.2 mm (6.8 mils) /  Track spacing = 0.1 mm (3.93 mils) /  Track width/spacing ratio = 2 /  Dielectric thickness from Top to 2nd layer = 173um (6.8 mils) /  Dielectric between Top layer and 2nd layer relative permittivity (Er): 4.2 /          /  Approximate coupled microstrip line impedance = 90.5 Ohms (+/- 10% tolerance)" at 230.85,83.375 h1.5
  text "Local Fiducial" at 129.975,79.5 h0.7
  text "Note: / Hole circles are just for mechanical information. / No additional requirements for manufacturing. / For board holes follow drill files." at 4.65,77.95 h0.7
  text "PCIe (Top)" at 211.575,70 h2
  text "PCB standoff hole" at 3.05,67.925 h1 r90
  text "Local Fiducial" at 80.325,62.875 h0.7
  text "Local Fiducial" at 161.025,56.325 h0.7
  text "85 Ohm coupled microstrip line (Top layer, PCI traces) characteristics: /  Top layer copper foil thickness: 17.5 um /  Track width = 0.25 mm (9.84 mils) /  Track spacing = 0.1 mm (3.93 mils) /  Track width/spacing ratio = 2.5 /  Dielectric thickness from Top to 2nd layer = 173um (6.8 mils) /  Dielectric between Top layer and 2nd layer relative permittivity (Er): 4.2 /          /  Approximate coupled microstrip line impedance = 84.8 Ohms (+/- 10% tolerance)" at 233.075,54.675 h1.5
  text "Local Fiducial" at 38.925,46.35 h0.7
  text "Local Fiducial" at 98.525,46.225 h0.7
  text "PCIe (Bottom)" at 210,41.85 h2
  text "Fan mounting hole" at 80.5,40 h1
  text "Fan mounting hole" at 130.5,40 h1
  text "85 Ohm coupled microstrip line (Bottom layer, PCI traces) characteristics: /  Bottom layer copper foil thickness: 17.5 um /  Track width = 0.25 mm (9.84 mils) /  Track spacing = 0.1 mm (3.93 mils) /  Track width/spacing ratio = 2.5 /  Dielectric thickness from L13 to Bottom layer = 173um (6.8 mils) /  Dielectric between L13 layer and Bottom layer relative permittivity (Er): 4.2 /          /  Approximate coupled microstrip line impedance = 85 Ohms (+/- 10% tolerance)" at 232.45,27.75 h1.5
  text "VERY IMPORTANT NOTES:" at 244.35,20.975 h3
  text "PCB standoff hole" at 5.05,19.475 h1 r90
  text "PCB standoff hole" at 162.875,18 h1
  text "PCIe bracket mounting hole" at 13.1,12.925 h1
  text "Chamfered area is shown as filled field" at 4.525,1.125 h1
  text "PCI connector / edge chamfer" at -1.375,-18.55 h1.5
  text "20 (+/- 5) / degrees" at -9.875,-29.05 h1.5
  text "1.4 mm" at -10.075,-39.05 h1.5
  text "1) 0.35mm ring and 0.2mm drill via-in-pads (IC1 and IC4) must be resin filled with metal cap / 2) IC1 and IC4 thermal pad vias with 0.4mm ring and 0.2mm drill must be resin filled with metal cap. /    IC1 and IC4 thermal pad vias  with 0.5mm ring and 0.2mm drill must be left open (NO resin fill with metal cap). 8 vias in total, marked with note / 3) Solder mask : DARK BLUE, both sides, halogen free, glossy finish (NOT matte) / 4) Silkscreen : white epoxy ink, halogen free, both sides. No silkscreen on pads. / 5) DRCs must be run on Gerber files before building boards / 6) Hole diameters are final manufactured diameters INCLUDING HOLE METALIZATION. / 7) Minimum track spacing: 0.1 mm /    Minimum track width: 0.1 mm / 8) There are plated and non-plated holes on the PCB / 9) Material: /    IT-180A /    PCB vendor to silkscreen UL and RoHS compliance marks, vendor logo and date code on bottom where shown /    Copper weight:  External layers 0.5 oz+plating /                    Internal layers 1 oz / 10) Electrical test : 100 % netlist. / 11) Boards are to be individually bagged. / 12) PCI EXPRESS pads (top and bottom) - 30 micro inches of gold over 50 micro inches nickel plating / 13) Board edge below PCI pads must be chamfered (as shown). Edges must be free of cutting burrs / 14) Assembly note: Assembly house MUST provide notes in paper with shipped board if there were any changes  /     during assembly and the board is not assembled 100% according to BOM and P&P files. Note example:" at 232.5,-44.1 h1.5
  text "Part" at 239.4,-46.95 h1.5
  text "Initial BOM asm. note" at 249.4,-46.95 h1.5
  text "Status on board" at 284.4,-46.95 h1.5
  text "Comment" at 327.4,-46.95 h1.5
  text "R1" at 240.9,-51.95 h1.5
  text "FIT" at 260.4,-51.95 h1.5
  text "NF" at 293.9,-51.95 h1.5
  text "Not mounted due to bad footprint" at 311.4,-52.45 h1.5
  text "IC5" at 240.4,-54.95 h1.5
  text "FIT" at 260.4,-54.95 h1.5
  text "NF" at 293.9,-55.45 h1.5
  text "Not mounted due to part shortage" at 311.4,-55.95 h1.5
ASM BOT:
  drawing of 624 lines, arcs and shapes, not listed
  text "Assembly bottom" at 115.9,112.425 h1.25
  text "or" at 80.85,90.7 h0.5
ASM TOP:
  drawing of 374 lines, arcs and shapes, not listed
  text "Assembly top" at 92.225,112.125 h1.25
  text "FAN" at 139.1,58.9 h1.25
  text "FAN  / screws and standoffs. See notes below" at 83.3,29.2 h0.8
  text "FAN wire orientation" at 194.225,10.675 h0.9
  text "FAN screws and spacers assembly" at 99.825,10.475 h0.9
  text "FAN orientation and screw position" at 140.725,10.3 h0.9
  text "FAN wires" at 198.425,7.925 h0.9
  text "J33" at 217.35,7.25 h0.8
  text "FAN top" at 153.7,6.25 h0.9
  text "PCB" at 181.55,5.375 h0.9
  text "M2.5" at 3.55,5.175 h0.9
  text "2" at 8.8,5.175 h0.9
  text "12V FAN" at 214.975,3.575 h0.8
  text "FAN" at 198.85,1.125 h0.9
  text "Screw position on the FAN" at 137.55,-1.775 h0.9
  text "Mounted from PCB top through FAN hole" at 80.475,-8.175 h0.9
  text "FAN wires must face top of the board and connector J33" at 210.95,-8.625 h0.9
  text "FAN blowing direction. Arrow MUST be facing down (on the PCB)" at 155.05,-11.025 h0.9
  text "4" at 97.178,-12.829 h0.9
  text "Spacer sleeve M3" at 81.278,-13.129 h0.9
  text "Mounted from PCB top" at 70,-13.575 h0.9
  text "Screw M3" at 88.378,-20.028 h0.9
  text "7" at 97.356,-20.028 h0.9
  text "Mounted from PCB bottom" at 77.025,-20.725 h0.9

## Dimensions
0,4.5 to 0,111.15 on Mechanical1
0,111.15 to 190,111.15 on Mechanical1
-9.35,120.575 to -9.35,-8.9 on Mechanical1
-9.35,120.575 to 199.425,120.575 on Mechanical1
4.5,87 to 4.5,16.5 on Mechanical1
7.5,94.75 to 182.25,105.55 on Mechanical1
7.5,94.75 to 4.5,87 on Mechanical1
4.5,16.5 to 7.25,9.35 on Mechanical1
182.25,18.35 to 182.25,105.55 on Mechanical1
7.25,9.35 to 14.653,16.753 on Mechanical1
4.5,16.5 to 10.82,22.82 on Mechanical1
88.5,37 to 138.5,37 on Mechanical1
138.5,87 to 138.5,37 on Mechanical1

## Text inside footprints (layer, text, board x,y; h text height)
BATT1: ASM TOP "POSITIVE / TERMINAL" at 80.55,20.35 h0.55; ASM TOP "NEGATIVE / TERMINAL" at 95.9,20.4 h0.55
IC1: Mechanical1 "0.2mm/0.5mm hole/ring vias under   / pad to be left open (no metal cap)" at 43.175,31.25 h0.35 r90; ASM TOP "1) paste/pad ratio ~65% / 2) 4 thermal pad vias  / without metal cap / 3) all other thermal pad  / vias with metal cap" at 34.85,33.725 h0.4 r90; ASM TOP "Pad size = 0.35mm / Pad paste mask = 0.35mm / No AM2 pad" at 40.625,32.25 h0.4 r90; ASM TOP "Footprint revision: r4" at 42.45,35.4 h0.4 r90
IC2: Mechanical1 "0.2mm/0.5mm hole/ring vias under   / pad to be left open (no metal cap)" at 43.202,87.087 h0.35 r90; ASM TOP "1) paste/pad ratio ~65% / 2) 4 thermal pad vias  / without metal cap / 3) all other thermal pad  / vias with metal cap" at 34.877,89.562 h0.4 r90; ASM TOP "Pad size = 0.35mm / Pad paste mask = 0.35mm / No AM2 pad" at 40.652,88.087 h0.4 r90; ASM TOP "Footprint revision: r4" at 42.477,91.237 h0.4 r90
IC50: BottomOverlay "8-SO" at 100.35,20.3 h0.55; BottomOverlay "W16-SO" at 105.075,22.125 h0.55 r90; BottomOverlay "1" at 96.825,26.2 h0.55 r90; BottomOverlay "1" at 97.775,21.65 h0.55 r90; BottomOverlay "8" at 106.625,27.125 h0.55 r90; BottomOverlay "9" at 106.65,14.35 h0.55 r90; BottomOverlay "16" at 97.725,14.325 h0.55 r90; BottomOverlay "8" at 97.775,19.825 h0.55 r90; BottomOverlay "4" at 101.575,21.7 h0.55 r90; BottomOverlay "5" at 101.6,19.825 h0.55 r90
J1: ASM TOP "in" at 26.325,18 h0.55 r90
J2: ASM TOP "in" at 13.284,36.137 h0.55
J3: ASM TOP "in" at 57.191,42.913 h0.55
J4: ASM TOP "in" at 49.05,19.425 h0.55
J5: ASM TOP "in" at 57.325,35.225 h0.55
J6: ASM TOP "in" at 42.15,17.625 h0.55 r90
J7: ASM TOP "in" at 26.475,73.9 h0.55 r90
J8: ASM TOP "in" at 14.975,84.775 h0.55 r90
J9: ASM TOP "in" at 57.525,96.85 h0.55
J10: ASM TOP "in" at 49.025,75.2 h0.55
J11: ASM TOP "in" at 57.116,88.457 h0.55
J12: ASM TOP "in" at 42.288,73.628 h0.55 r90
J13: ASM TOP "in" at 13.45,25.475 h0.55
J14: ASM TOP "in" at 14.475,73.125 h0.55 r90
J15: ASM TOP "in" at 51.95,50.25 h0.55 r90
J16: ASM TOP "in" at 57.85,104 h0.55
J17: ASM TOP "in" at 12.55,47.525 h0.55
J18: ASM TOP "in" at 16.35,98.95 h0.55
J19: ASM TOP "in" at 56.275,73.825 h0.55 r90
J20: ASM TOP "in" at 55.25,20.575 h0.55
J21: ASM TOP "in" at 14.075,61.025 h0.55 r90
J22: ASM TOP "in" at 29.925,55.85 h0.55
J23: ASM TOP "in" at 24.425,59.125 h0.55
J24: ASM TOP "in" at 24.7,63.8 h0.55
J25: ASM TOP "in" at 29.45,66.825 h0.55
J29: TopOverlay "1" at 165.85,73.95 h0.55; TopOverlay "9" at 165.65,68.85 h0.55; TopOverlay "2" at 173.65,73.95 h0.55; TopOverlay "10" at 173.55,68.85 h0.55